# Altium PCB STM32F207VC.PcbDoc (part 10 of 16)
Units mm, origin at the board's own origin, x right, y up, seen from the top; angles counter-clockwise.
Board outline 99.19 x 99.95 mm, 2 copper layers (Top Layer, Bottom Layer); 127 components, 125 nets, 570 pads, 172 vias.
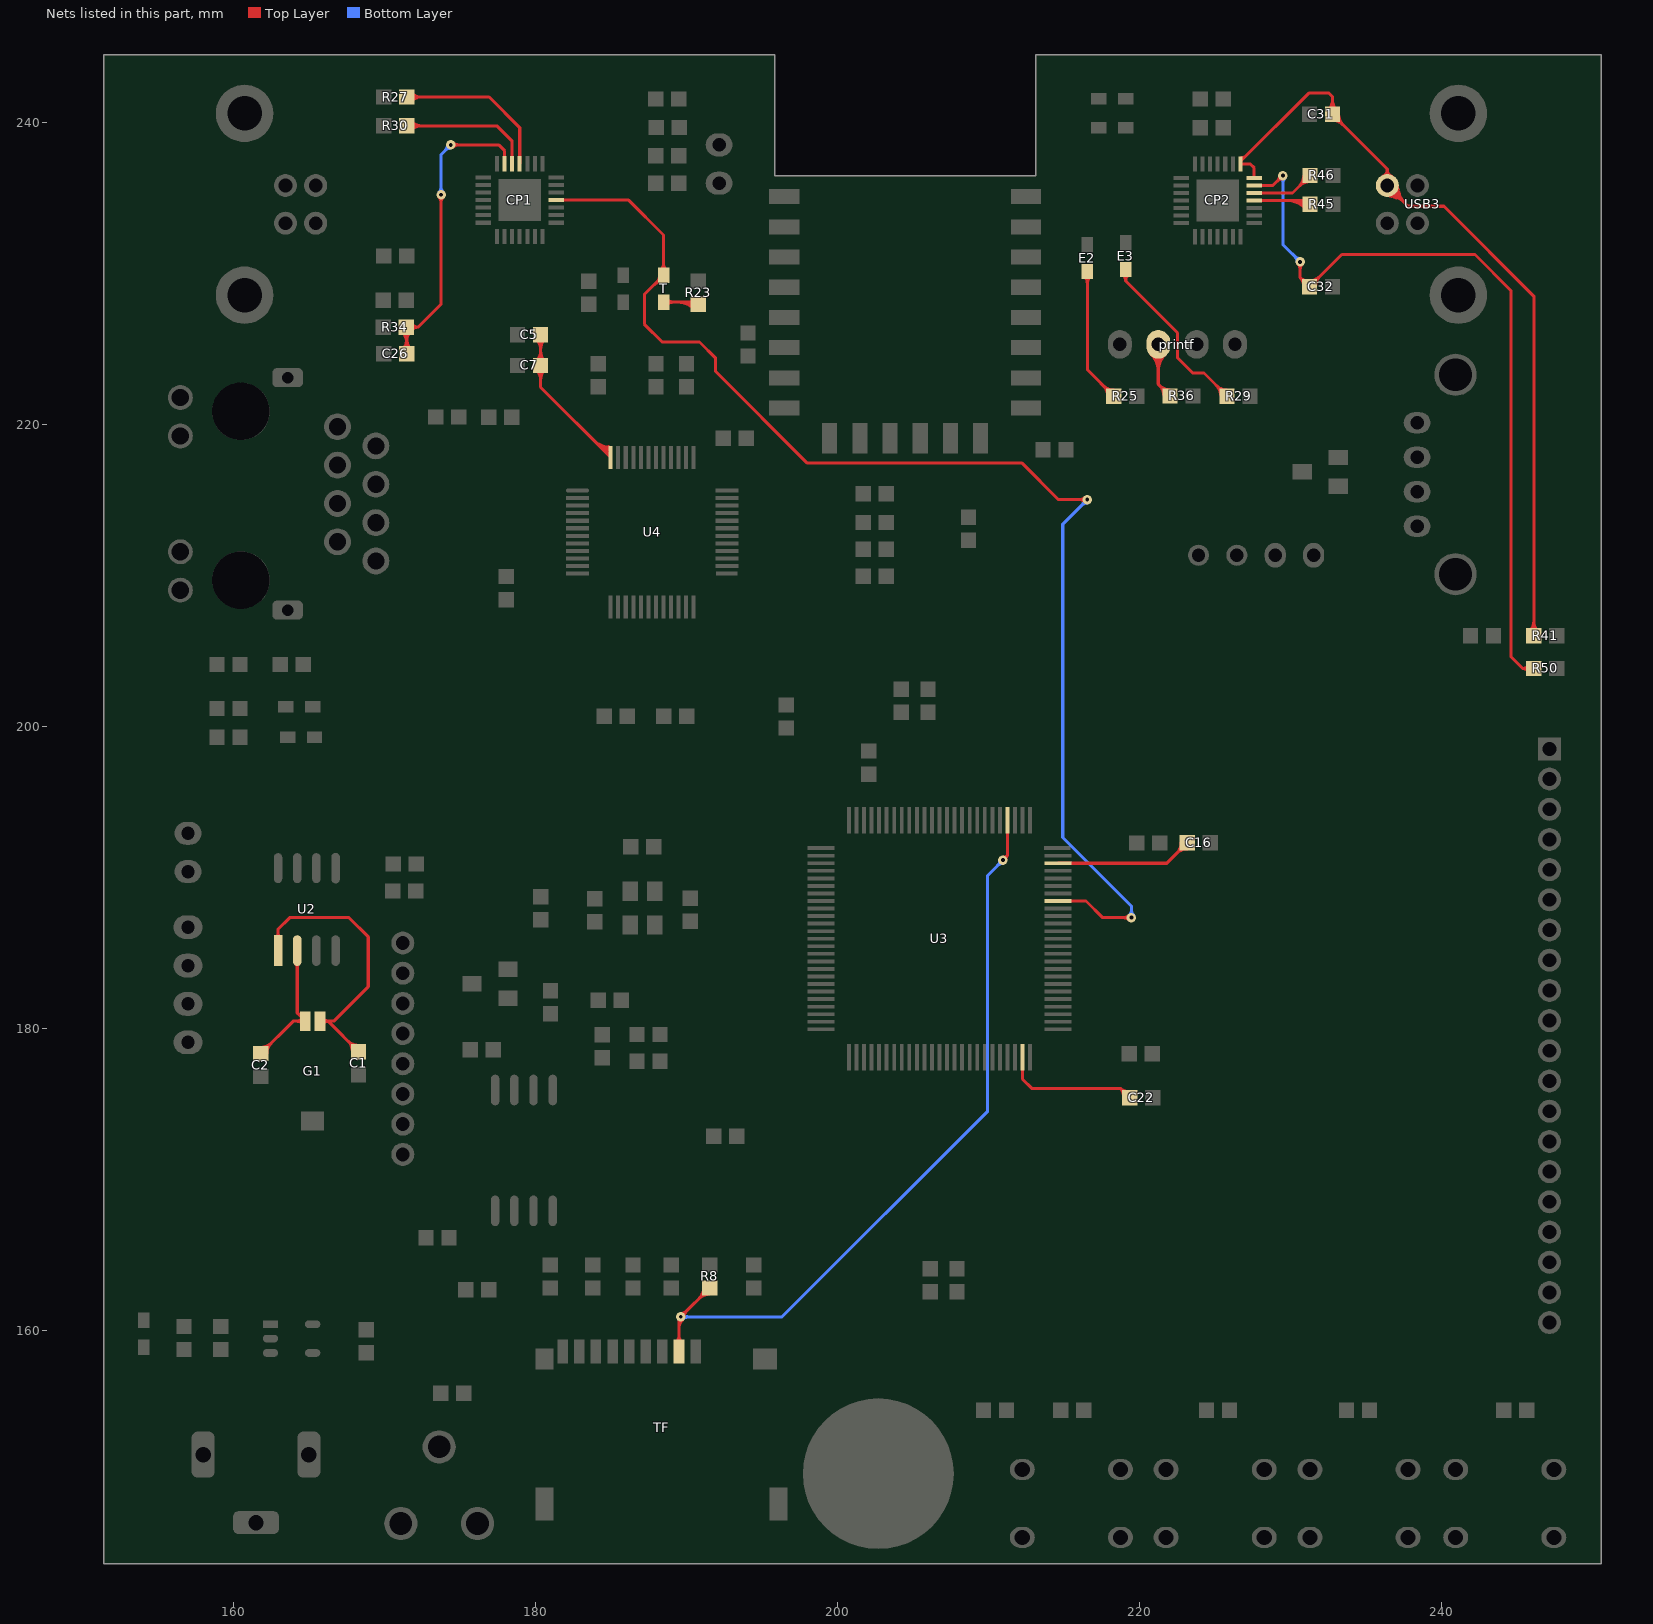
[diagram p10: the nets of this part, all layers, seen from the top]

## Via types
v1: diameter 0.635, hole 0.254, Top Layer to Bottom Layer, tented both sides, 152 vias
v2: diameter 0.635, hole 0.406, Top Layer to Bottom Layer, 18 vias
v3: diameter 1, hole 1, Top Layer to Bottom Layer, 2 vias

## Nets (pads, with @x,y where several pads share a name; then routed paths per layer and width w, separated by ;. In a path a pad name is that pad's centre, name@x,y a point inside that pad or via, vN(x,y) a via of type N, cw(c..) or ccw(c..) an arc to the next point about the centre after c; other vN are vias at no path point) (continued)
MCU_SDIO_D3: R8.1 TF.2 U3.79 | length 91.6
  Top Layer w0.203: TF.2@189.491,158.593 v1@189.491,160.766 ; v1(189.611,160.886) R8.1@191.522,162.797 ; v1(210.947,191.135) 211.245,191.433 ; U3.79@211.245,193.778 211.245,191.433 ; TF.2@189.315,159.219 ccw(c188.891,159.643) 189.491,159.643 ; TF.2@189.315,159.219 ccw(c188.891,159.643) 189.491,159.643 ; TF.2@189.315,159.219 ccw(c188.891,159.643) 189.491,159.643 ; TF.2@189.315,159.219 ccw(c188.891,159.643) 189.491,159.643 ; 189.491,159.643 ccw(c190.091,159.643) TF.2@189.667,159.219 ; 189.491,159.643 ccw(c190.091,159.643) TF.2@189.667,159.219 ; 189.491,159.643 ccw(c190.091,159.643) TF.2@189.667,159.219 ; 189.491,159.643 ccw(c190.091,159.643) TF.2@189.667,159.219 ; 189.491,160.075 cw(c190.422,160.075) v1@189.764,160.733 ; 189.491,160.075 cw(c190.422,160.075) v1@189.764,160.733 ; 189.491,160.075 cw(c190.422,160.075) v1@189.764,160.733 ; 189.491,160.075 cw(c190.422,160.075) v1@189.764,160.733 ; 189.491,160.565 cw(c189.931,160.565) v1@189.62,160.877 ; 189.491,160.565 cw(c189.931,160.565) v1@189.62,160.877 ; 189.491,160.565 cw(c189.931,160.565) v1@189.62,160.877 ; 189.491,160.565 cw(c189.931,160.565) v1@189.62,160.877 ; v1@189.608,160.898 ccw(c189.531,161.278) 189.905,161.178 ; v1@189.608,160.898 ccw(c189.531,161.278) 189.905,161.178 ; v1@189.608,160.898 ccw(c189.531,161.278) 189.905,161.178 ; v1@189.608,160.898 ccw(c189.531,161.278) 189.905,161.178 ; v1@189.608,160.898 ccw(c189.531,161.278) 189.905,161.178 ; v1@189.608,160.898 ccw(c189.531,161.278) 189.905,161.178 ; v1@189.611,161.102 ccw(c189.611,161.623) 189.98,161.254 ; v1@189.611,161.102 ccw(c189.611,161.623) 189.98,161.254 ; v1@189.611,161.102 ccw(c189.611,161.623) 189.98,161.254 ; v1@189.611,161.102 ccw(c189.611,161.623) 189.98,161.254 ; v1@189.623,160.883 cw(c190.003,160.805) 189.903,161.18 ; v1@189.623,160.883 cw(c190.003,160.805) 189.903,161.18 ; v1@189.623,160.883 cw(c190.003,160.805) 189.903,161.18 ; v1@189.623,160.883 cw(c190.003,160.805) 189.903,161.18 ; v1@189.623,160.883 cw(c190.003,160.805) 189.903,161.18 ; v1@189.623,160.883 cw(c190.003,160.805) 189.903,161.18 ; v1@189.827,160.886 cw(c190.348,160.886) 189.98,161.254 ; v1@189.827,160.886 cw(c190.348,160.886) 189.98,161.254 ; v1@189.827,160.886 cw(c190.348,160.886) 189.98,161.254 ; v1@189.827,160.886 cw(c190.348,160.886) 189.98,161.254 ; 190.828,162.103 cw(c191.522,161.409) R8.1@191.522,162.39 ; 190.828,162.103 ccw(c190.134,162.797) R8.1@191.116,162.797 ; 190.828,162.103 cw(c191.522,161.409) R8.1@191.522,162.39 ; 190.828,162.103 ccw(c190.134,162.797) R8.1@191.116,162.797 ; 190.828,162.103 ccw(c190.134,162.797) R8.1@191.116,162.797 ; 190.828,162.103 cw(c191.522,161.409) R8.1@191.522,162.39 ; 190.828,162.103 ccw(c190.134,162.797) R8.1@191.116,162.797 ; 190.828,162.103 cw(c191.522,161.409) R8.1@191.522,162.39 ; 190.978,162.285 cw(c191.664,162.101) R8.1@191.522,162.797 ; 190.978,162.285 cw(c191.664,162.101) R8.1@191.522,162.797 ; 190.978,162.285 cw(c191.664,162.101) R8.1@191.522,162.797 ; 190.978,162.285 cw(c191.664,162.101) R8.1@191.522,162.797 ; 190.978,162.285 cw(c191.664,162.101) R8.1@191.522,162.797 ; 190.978,162.285 cw(c191.664,162.101) R8.1@191.522,162.797 ; 191.01,162.253 ccw(c190.826,162.939) R8.1@191.522,162.797 ; 191.01,162.253 ccw(c190.826,162.939) R8.1@191.522,162.797 ; 191.01,162.253 ccw(c190.826,162.939) R8.1@191.522,162.797 ; 191.01,162.253 ccw(c190.826,162.939) R8.1@191.522,162.797 ; 191.01,162.253 ccw(c190.826,162.939) R8.1@191.522,162.797 ; 191.01,162.253 ccw(c190.826,162.939) R8.1@191.522,162.797 ; v1@210.982,191.348 ccw(c211.031,191.647) 211.245,191.433 ; v1@210.982,191.348 ccw(c211.031,191.647) 211.245,191.433 ; v1@210.982,191.348 ccw(c211.031,191.647) 211.245,191.433 ; v1@210.982,191.348 ccw(c211.031,191.647) 211.245,191.433 ; v1@211.16,191.17 cw(c211.459,191.219) 211.245,191.433 ; v1@211.16,191.17 cw(c211.459,191.219) 211.245,191.433 ; v1@211.16,191.17 cw(c211.459,191.219) 211.245,191.433 ; v1@211.16,191.17 cw(c211.459,191.219) 211.245,191.433
  Bottom Layer w0.203: v1(189.611,160.886) 196.319,160.886 209.931,174.498 209.931,190.119 v1(210.947,191.135) ; v1@189.764,160.733 cw(c190.132,160.364) 190.132,160.886 ; v1@189.764,160.733 cw(c190.132,160.364) 190.132,160.886 ; v1@189.764,160.733 cw(c190.132,160.364) 190.132,160.886 ; v1@189.764,160.733 cw(c190.132,160.364) 190.132,160.886 ; v1@189.764,161.038 ccw(c190.132,161.407) 190.132,160.886 ; v1@189.764,161.038 ccw(c190.132,161.407) 190.132,160.886 ; v1@189.764,161.038 ccw(c190.132,161.407) 190.132,160.886 ; v1@189.764,161.038 ccw(c190.132,161.407) 190.132,160.886 ; 210.578,190.766 cw(c210.947,190.398) v1@210.947,190.919 ; 210.578,190.766 ccw(c210.21,191.135) v1@210.731,191.135 ; 210.578,190.766 cw(c210.947,190.398) v1@210.947,190.919 ; 210.578,190.766 ccw(c210.21,191.135) v1@210.731,191.135 ; 210.578,190.766 ccw(c210.21,191.135) v1@210.731,191.135 ; 210.578,190.766 cw(c210.947,190.398) v1@210.947,190.919 ; 210.578,190.766 ccw(c210.21,191.135) v1@210.731,191.135 ; 210.578,190.766 cw(c210.947,190.398) v1@210.947,190.919
MCU_TXD: CP1.25 T.2@188.468,229.87 U3.68 | length 113.6
  Top Layer w0.203: CP1.25@181.356,234.848 186.157,234.848 188.468,232.537 T.2@188.468,229.87 187.198,228.6 187.198,226.635 188.382,225.45 190.856,225.45 191.922,224.384 191.922,223.495 197.993,217.424 212.217,217.424 214.63,215.011 v1(216.535,215.011) ; U3.68@214.595,188.428 216.448,188.428 217.551,187.325 v1(219.456,187.325) ; 187.774,229.176 cw(c188.468,228.482) T.2@188.468,229.464 ; 187.774,229.176 cw(c188.468,228.482) T.2@188.468,229.464 ; 187.774,229.176 cw(c188.468,228.482) T.2@188.468,229.464 ; 187.774,229.176 cw(c188.468,228.482) T.2@188.468,229.464 ; 187.9,229.311 ccw(c187.712,230.013) T.2@188.396,229.769 ; 187.9,229.311 ccw(c187.712,230.013) T.2@188.396,229.769 ; 187.9,229.311 ccw(c187.712,230.013) T.2@188.396,229.769 ; 187.9,229.311 ccw(c187.712,230.013) T.2@188.396,229.769 ; 187.9,229.311 ccw(c187.712,230.013) T.2@188.396,229.769 ; 188.081,229.483 ccw(c187.821,229.743) T.2@188.189,229.743 ; 188.081,229.483 ccw(c187.821,229.743) T.2@188.189,229.743 ; 188.081,229.483 ccw(c187.821,229.743) T.2@188.189,229.743 ; 188.081,229.483 ccw(c187.821,229.743) T.2@188.189,229.743 ; T.2@188.121,229.523 cw(c188.468,229.176) T.2@188.468,229.667 ; T.2@188.121,229.523 cw(c188.468,229.176) T.2@188.468,229.667 ; T.2@188.121,229.523 cw(c188.468,229.176) T.2@188.468,229.667 ; T.2@188.121,229.523 cw(c188.468,229.176) T.2@188.468,229.667 ; T.2@188.27,230.195 ccw(c187.793,230.672) 188.468,230.672 ; T.2@188.27,230.195 ccw(c187.793,230.672) 188.468,230.672 ; T.2@188.27,230.195 ccw(c187.793,230.672) 188.468,230.672 ; T.2@188.27,230.195 ccw(c187.793,230.672) 188.468,230.672 ; T.2@188.275,229.412 ccw(c188.156,229.854) T.2@188.588,229.7 ; T.2@188.275,229.412 ccw(c188.156,229.854) T.2@188.588,229.7 ; T.2@188.275,229.412 ccw(c188.156,229.854) T.2@188.588,229.7 ; T.2@188.275,229.412 ccw(c188.156,229.854) T.2@188.588,229.7 ; T.2@188.275,229.412 ccw(c188.156,229.854) T.2@188.588,229.7 ; 188.468,230.672 ccw(c189.143,230.672) T.2@188.666,230.195 ; 188.468,230.672 ccw(c189.143,230.672) T.2@188.666,230.195 ; 188.468,230.672 ccw(c189.143,230.672) T.2@188.666,230.195 ; 188.468,230.672 ccw(c189.143,230.672) T.2@188.666,230.195 ; 216.014,215.011 cw(c216.014,214.49) v1@216.382,214.858 ; 216.014,215.011 ccw(c216.014,215.532) v1@216.382,215.164 ; 216.014,215.011 cw(c216.014,214.49) v1@216.382,214.858 ; 216.014,215.011 ccw(c216.014,215.532) v1@216.382,215.164 ; 216.014,215.011 ccw(c216.014,215.532) v1@216.382,215.164 ; 216.014,215.011 cw(c216.014,214.49) v1@216.382,214.858 ; 216.014,215.011 ccw(c216.014,215.532) v1@216.382,215.164 ; 216.014,215.011 cw(c216.014,214.49) v1@216.382,214.858 ; 218.935,187.325 cw(c218.935,186.804) v1@219.303,187.172 ; 218.935,187.325 ccw(c218.935,187.846) v1@219.303,187.478 ; 218.935,187.325 cw(c218.935,186.804) v1@219.303,187.172 ; 218.935,187.325 ccw(c218.935,187.846) v1@219.303,187.478 ; 218.935,187.325 ccw(c218.935,187.846) v1@219.303,187.478 ; 218.935,187.325 cw(c218.935,186.804) v1@219.303,187.172 ; 218.935,187.325 ccw(c218.935,187.846) v1@219.303,187.478 ; 218.935,187.325 cw(c218.935,186.804) v1@219.303,187.172
  Bottom Layer w0.203: v1(216.535,215.011) 214.909,213.385 214.909,192.634 219.456,188.087 v1(219.456,187.325) ; 216.166,214.642 cw(c216.535,214.274) v1@216.535,214.795 ; 216.166,214.642 ccw(c215.798,215.011) v1@216.319,215.011 ; 216.166,214.642 cw(c216.535,214.274) v1@216.535,214.795 ; 216.166,214.642 ccw(c215.798,215.011) v1@216.319,215.011 ; 216.166,214.642 ccw(c215.798,215.011) v1@216.319,215.011 ; 216.166,214.642 cw(c216.535,214.274) v1@216.535,214.795 ; 216.166,214.642 ccw(c215.798,215.011) v1@216.319,215.011 ; 216.166,214.642 cw(c216.535,214.274) v1@216.535,214.795 ; v1@219.303,187.478 ccw(c218.935,187.846) 219.456,187.846 ; v1@219.303,187.478 ccw(c218.935,187.846) 219.456,187.846 ; v1@219.303,187.478 ccw(c218.935,187.846) 219.456,187.846 ; v1@219.303,187.478 ccw(c218.935,187.846) 219.456,187.846 ; 219.456,187.846 ccw(c219.977,187.846) v1@219.609,187.478 ; 219.456,187.846 ccw(c219.977,187.846) v1@219.609,187.478 ; 219.456,187.846 ccw(c219.977,187.846) v1@219.609,187.478 ; 219.456,187.846 ccw(c219.977,187.846) v1@219.609,187.478
NetC1_1: C1.1 G1.2 U2.1 | length 44.4
  Top Layer w0.203: U2.1@162.937,185.144 162.937,186.559 163.703,187.325 167.64,187.325 168.91,186.055 168.91,182.753 166.624,180.467 G1.2@165.71,180.467 166.254,180.467 ; U2.1@162.811,186.006 ccw(c162.508,186.309) 162.937,186.309 ; U2.1@162.811,186.006 ccw(c162.508,186.309) 162.937,186.309 ; U2.1@162.811,186.006 ccw(c162.508,186.309) 162.937,186.309 ; U2.1@162.811,186.006 ccw(c162.508,186.309) 162.937,186.309 ; 162.937,186.309 ccw(c163.366,186.309) U2.1@163.063,186.006 ; 162.937,186.309 ccw(c163.366,186.309) U2.1@163.063,186.006 ; 162.937,186.309 ccw(c163.366,186.309) U2.1@163.063,186.006 ; 162.937,186.309 ccw(c163.366,186.309) U2.1@163.063,186.006 ; G1.2@165.889,180.287 cw(c166.323,179.854) 166.323,180.467 ; G1.2@165.889,180.287 cw(c166.323,179.854) 166.323,180.467 ; G1.2@165.889,180.287 cw(c166.323,179.854) 166.323,180.467 ; G1.2@165.889,180.287 cw(c166.323,179.854) 166.323,180.467 ; G1.2@165.889,180.647 ccw(c166.323,181.08) 166.323,180.467 ; G1.2@165.889,180.647 ccw(c166.323,181.08) 166.323,180.467 ; G1.2@165.889,180.647 ccw(c166.323,181.08) 166.323,180.467 ; G1.2@165.889,180.647 ccw(c166.323,181.08) 166.323,180.467 ; G1.2@165.904,180.304 cw(c166.254,180.01) 166.254,180.467 ; G1.2@165.904,180.304 cw(c166.254,180.01) 166.254,180.467 ; G1.2@165.904,180.304 cw(c166.254,180.01) 166.254,180.467 ; G1.2@165.904,180.304 cw(c166.254,180.01) 166.254,180.467 ; G1.2@165.904,180.63 ccw(c166.254,180.924) 166.254,180.467 ; G1.2@165.904,180.63 ccw(c166.254,180.924) 166.254,180.467 ; G1.2@165.904,180.63 ccw(c166.254,180.924) 166.254,180.467 ; G1.2@165.904,180.63 ccw(c166.254,180.924) 166.254,180.467 ; 166.254,180.467 C1.1@168.269,178.452 ; 167.575,179.146 cw(c166.882,178.452) C1.1@167.863,178.452 ; 167.575,179.146 ccw(c168.269,179.84) C1.1@168.269,178.859 ; 167.575,179.146 cw(c166.882,178.452) C1.1@167.863,178.452 ; 167.575,179.146 ccw(c168.269,179.84) C1.1@168.269,178.859 ; 167.575,179.146 ccw(c168.269,179.84) C1.1@168.269,178.859 ; 167.575,179.146 cw(c166.882,178.452) C1.1@167.863,178.452 ; 167.575,179.146 ccw(c168.269,179.84) C1.1@168.269,178.859 ; 167.575,179.146 cw(c166.882,178.452) C1.1@167.863,178.452 ; 167.725,178.964 ccw(c168.412,179.148) C1.1@168.269,178.452 ; 167.725,178.964 ccw(c168.412,179.148) C1.1@168.269,178.452 ; 167.725,178.964 ccw(c168.412,179.148) C1.1@168.269,178.452 ; 167.725,178.964 ccw(c168.412,179.148) C1.1@168.269,178.452 ; 167.725,178.964 ccw(c168.412,179.148) C1.1@168.269,178.452 ; 167.725,178.964 ccw(c168.412,179.148) C1.1@168.269,178.452 ; 167.757,178.996 cw(c167.573,178.31) C1.1@168.269,178.452 ; 167.757,178.996 cw(c167.573,178.31) C1.1@168.269,178.452 ; 167.757,178.996 cw(c167.573,178.31) C1.1@168.269,178.452 ; 167.757,178.996 cw(c167.573,178.31) C1.1@168.269,178.452 ; 167.757,178.996 cw(c167.573,178.31) C1.1@168.269,178.452 ; 167.757,178.996 cw(c167.573,178.31) C1.1@168.269,178.452
NetC2_1: C2.1 G1.1 U2.2 | length 34.1
  Top Layer w0.203: U2.2@164.207,185.144 164.207,181.004 ; C2.1@161.792,178.325 cw(c162.488,178.183) 162.304,178.869 ; C2.1@161.792,178.325 ccw(c161.65,179.021) 162.336,178.837 ; C2.1@161.792,178.325 ccw(c161.65,179.021) 162.336,178.837 ; C2.1@161.792,178.325 cw(c162.488,178.183) 162.304,178.869 ; C2.1@161.792,178.325 ccw(c161.65,179.021) 162.336,178.837 ; C2.1@161.792,178.325 cw(c162.488,178.183) 162.304,178.869 ; C2.1@161.792,178.325 cw(c162.488,178.183) 162.304,178.869 ; C2.1@161.792,178.325 ccw(c161.65,179.021) 162.336,178.837 ; C2.1@161.792,178.325 cw(c162.488,178.183) 162.304,178.869 ; C2.1@161.792,178.325 ccw(c161.65,179.021) 162.336,178.837 ; C2.1@161.792,178.325 ccw(c161.65,179.021) 162.336,178.837 ; C2.1@161.792,178.325 cw(c162.488,178.183) 162.304,178.869 ; C2.1@161.792,178.325 163.934,180.467 G1.1@164.744,180.467 164.207,181.004 ; C2.1@161.792,178.732 ccw(c161.792,179.713) 162.486,179.019 ; C2.1@161.792,178.732 ccw(c161.792,179.713) 162.486,179.019 ; C2.1@161.792,178.732 ccw(c161.792,179.713) 162.486,179.019 ; C2.1@161.792,178.732 ccw(c161.792,179.713) 162.486,179.019 ; C2.1@162.198,178.325 cw(c163.18,178.325) 162.486,179.019 ; C2.1@162.198,178.325 cw(c163.18,178.325) 162.486,179.019 ; C2.1@162.198,178.325 cw(c163.18,178.325) 162.486,179.019 ; C2.1@162.198,178.325 cw(c163.18,178.325) 162.486,179.019 ; U2.2@164.081,184.281 cw(c163.778,183.978) 164.207,183.978 ; U2.2@164.081,184.281 cw(c163.778,183.978) 164.207,183.978 ; U2.2@164.081,184.281 cw(c163.778,183.978) 164.207,183.978 ; U2.2@164.081,184.281 cw(c163.778,183.978) 164.207,183.978 ; 164.131,180.467 cw(c164.131,179.854) G1.1@164.565,180.287 ; 164.131,180.467 ccw(c164.131,181.08) G1.1@164.565,180.647 ; 164.131,180.467 cw(c164.131,179.854) G1.1@164.565,180.287 ; 164.131,180.467 ccw(c164.131,181.08) G1.1@164.565,180.647 ; 164.131,180.467 ccw(c164.131,181.08) G1.1@164.565,180.647 ; 164.131,180.467 cw(c164.131,179.854) G1.1@164.565,180.287 ; 164.131,180.467 ccw(c164.131,181.08) G1.1@164.565,180.647 ; 164.131,180.467 cw(c164.131,179.854) G1.1@164.565,180.287 ; 164.207,181.004 ccw(c164.435,181.232) G1.1@164.608,180.961 ; 164.207,181.004 ccw(c164.435,181.232) G1.1@164.608,180.961 ; 164.207,181.004 ccw(c164.435,181.232) G1.1@164.608,180.961 ; 164.207,181.004 ccw(c164.435,181.232) G1.1@164.608,180.961 ; 164.207,183.978 cw(c164.636,183.978) U2.2@164.333,184.281 ; 164.207,183.978 cw(c164.636,183.978) U2.2@164.333,184.281 ; 164.207,183.978 cw(c164.636,183.978) U2.2@164.333,184.281 ; 164.207,183.978 cw(c164.636,183.978) U2.2@164.333,184.281 ; 164.386,180.825 ccw(c164.574,181.014) G1.1@164.717,180.789 ; 164.386,180.825 ccw(c164.574,181.014) G1.1@164.717,180.789 ; 164.386,180.825 ccw(c164.574,181.014) G1.1@164.717,180.789 ; 164.386,180.825 ccw(c164.574,181.014) G1.1@164.717,180.789
NetC5_2: C5.2 C7.2 U4.48 | length 44.1
  Top Layer w0.203: C5.2@180.323,225.927 C7.2@180.323,223.895 180.323,222.458 U4.48@184.965,217.815 ; 184.785,218.343 ccw(c184.721,218.583) U4.48@184.936,218.459 ; C7.2@180.035,223.608 cw(c179.341,222.914) 180.323,222.914 ; C7.2@180.035,223.608 cw(c179.341,222.914) 180.323,222.914 ; C7.2@180.035,223.608 cw(c179.341,222.914) 180.323,222.914 ; C7.2@180.035,223.608 cw(c179.341,222.914) 180.323,222.914 ; C7.2@180.035,224.182 ccw(c179.341,224.876) 180.323,224.876 ; C7.2@180.035,224.182 ccw(c179.341,224.876) 180.323,224.876 ; C7.2@180.035,224.182 ccw(c179.341,224.876) 180.323,224.876 ; C7.2@180.035,224.182 ccw(c179.341,224.876) 180.323,224.876 ; C5.2@180.035,225.64 cw(c179.341,224.946) 180.323,224.946 ; C5.2@180.035,225.64 cw(c179.341,224.946) 180.323,224.946 ; C5.2@180.035,225.64 cw(c179.341,224.946) 180.323,224.946 ; C5.2@180.035,225.64 cw(c179.341,224.946) 180.323,224.946 ; 180.323,222.914 cw(c181.304,222.914) C7.2@180.61,223.608 ; 180.323,222.914 cw(c181.304,222.914) C7.2@180.61,223.608 ; 180.323,222.914 cw(c181.304,222.914) C7.2@180.61,223.608 ; 180.323,222.914 cw(c181.304,222.914) C7.2@180.61,223.608 ; 180.323,224.876 ccw(c181.304,224.876) C7.2@180.61,224.182 ; 180.323,224.876 ccw(c181.304,224.876) C7.2@180.61,224.182 ; 180.323,224.876 ccw(c181.304,224.876) C7.2@180.61,224.182 ; 180.323,224.876 ccw(c181.304,224.876) C7.2@180.61,224.182 ; 180.323,224.946 cw(c181.304,224.946) C5.2@180.61,225.64 ; 180.323,224.946 cw(c181.304,224.946) C5.2@180.61,225.64 ; 180.323,224.946 cw(c181.304,224.946) C5.2@180.61,225.64 ; 180.323,224.946 cw(c181.304,224.946) C5.2@180.61,225.64 ; 183.838,218.943 ccw(c184.965,220.07) U4.48@184.965,218.476 ; 183.838,218.943 ccw(c184.965,220.07) U4.48@184.965,218.476 ; 183.838,218.943 ccw(c184.965,220.07) U4.48@184.965,218.476 ; 183.838,218.943 ccw(c184.965,220.07) U4.48@184.965,218.476 ; 184.185,218.596 ccw(c184.965,219.376) U4.48@184.965,218.272 ; 184.185,218.596 ccw(c184.965,219.376) U4.48@184.965,218.272 ; 184.185,218.596 ccw(c184.965,219.376) U4.48@184.965,218.272 ; 184.185,218.596 ccw(c184.965,219.376) U4.48@184.965,218.272 ; 184.532,218.249 ccw(c184.965,218.682) U4.48@184.965,218.069 ; 184.532,218.249 ccw(c184.965,218.682) U4.48@184.965,218.069 ; 184.532,218.249 ccw(c184.965,218.682) U4.48@184.965,218.069 ; 184.532,218.249 ccw(c184.965,218.682) U4.48@184.965,218.069 ; 184.688,218.347 ccw(c184.744,218.555) U4.48@184.935,218.457 ; 184.688,218.347 ccw(c184.688,218.677) U4.48@184.94,218.464 ; 184.688,218.347 ccw(c184.744,218.555) U4.48@184.935,218.457 ; 184.688,218.347 ccw(c184.744,218.555) U4.48@184.935,218.457 ; 184.688,218.347 ccw(c184.744,218.555) U4.48@184.935,218.457 ; 184.688,218.347 ccw(c184.688,218.677) U4.48@184.94,218.464 ; 184.688,218.347 ccw(c184.688,218.677) U4.48@184.94,218.464 ; 184.688,218.347 ccw(c184.744,218.555) U4.48@184.935,218.457 ; 184.688,218.347 ccw(c184.688,218.677) U4.48@184.94,218.464 ; 184.688,218.347 ccw(c184.744,218.555) U4.48@184.935,218.457 ; 184.799,218.347 ccw(c184.799,218.485) U4.48@184.933,218.45 ; 184.799,218.347 ccw(c184.799,218.485) U4.48@184.933,218.45 ; 184.799,218.347 ccw(c184.799,218.485) U4.48@184.933,218.45 ; 184.799,218.347 ccw(c184.799,218.485) U4.48@184.933,218.45 ; 184.818,218.511 cw(c184.773,218.325) U4.48@184.937,218.425 ; 184.818,218.511 cw(c184.773,218.325) U4.48@184.937,218.425 ; 184.818,218.511 cw(c184.773,218.325) U4.48@184.937,218.425 ; 184.818,218.511 cw(c184.773,218.325) U4.48@184.937,218.425 ; 184.818,218.511 cw(c184.773,218.325) U4.48@184.937,218.425 ; 184.818,218.511 cw(c184.773,218.325) U4.48@184.937,218.425 ; U4.48@184.879,217.902 ccw(c184.965,217.989) U4.48@184.965,217.866 ; U4.48@184.879,217.902 ccw(c184.965,217.989) U4.48@184.965,217.866 ; U4.48@184.879,217.902 ccw(c184.965,217.989) U4.48@184.965,217.866 ; U4.48@184.879,217.902 ccw(c184.965,217.989) U4.48@184.965,217.866
NetC16_2: C16.2 U3.73 | length 24.7
  Top Layer w0.203: U3.73@214.595,190.928 221.8,190.928 C16.2@223.156,192.284 ; 222.463,191.59 cw(c223.156,190.896) C16.2@223.156,191.878 ; 222.463,191.59 ccw(c221.769,192.284) C16.2@222.75,192.284 ; 222.463,191.59 cw(c223.156,190.896) C16.2@223.156,191.878 ; 222.463,191.59 ccw(c221.769,192.284) C16.2@222.75,192.284 ; 222.463,191.59 ccw(c221.769,192.284) C16.2@222.75,192.284 ; 222.463,191.59 cw(c223.156,190.896) C16.2@223.156,191.878 ; 222.463,191.59 ccw(c221.769,192.284) C16.2@222.75,192.284 ; 222.463,191.59 cw(c223.156,190.896) C16.2@223.156,191.878 ; 222.613,191.772 cw(c223.299,191.588) C16.2@223.156,192.284 ; 222.613,191.772 cw(c223.299,191.588) C16.2@223.156,192.284 ; 222.613,191.772 cw(c223.299,191.588) C16.2@223.156,192.284 ; 222.613,191.772 cw(c223.299,191.588) C16.2@223.156,192.284 ; 222.613,191.772 cw(c223.299,191.588) C16.2@223.156,192.284 ; 222.613,191.772 cw(c223.299,191.588) C16.2@223.156,192.284 ; 222.644,191.74 ccw(c222.461,192.426) C16.2@223.156,192.284 ; 222.644,191.74 ccw(c222.461,192.426) C16.2@223.156,192.284 ; 222.644,191.74 ccw(c222.461,192.426) C16.2@223.156,192.284 ; 222.644,191.74 ccw(c222.461,192.426) C16.2@223.156,192.284 ; 222.644,191.74 ccw(c222.461,192.426) C16.2@223.156,192.284 ; 222.644,191.74 ccw(c222.461,192.426) C16.2@223.156,192.284
NetC22_2: C22.2 U3.49 | length 14.3
  Top Layer w0.203: U3.49@212.245,178.078 212.245,176.629 212.852,176.022 218.717,176.022 ; C22.2@219.346,175.393 218.717,176.022 ; 218.717,176.022 cw(c218.173,175.477) C22.2@218.941,175.422 ; 218.717,176.022 ccw(c219.262,176.567) C22.2@219.317,175.798 ; 218.717,176.022 cw(c218.173,175.477) C22.2@218.941,175.422 ; 218.717,176.022 ccw(c219.262,176.567) C22.2@219.317,175.798 ; 218.717,176.022 ccw(c219.262,176.567) C22.2@219.317,175.798 ; 218.717,176.022 cw(c218.173,175.477) C22.2@218.941,175.422 ; 218.717,176.022 ccw(c219.262,176.567) C22.2@219.317,175.798 ; 218.717,176.022 cw(c218.173,175.477) C22.2@218.941,175.422
NetC26_1: C26.1 CP1.6 R34.2 | length 51.5
  Top Layer w0.203: C26.1@171.467,224.669 R34.2@171.467,226.4 ; R34.2@171.467,226.435 172.206,226.435 ; v1(173.736,235.204) 173.736,227.965 172.206,226.435 ; v1(174.371,238.506) 177.546,238.506 177.943,238.109 CP1.6@177.943,237.261 ; R34.2@171.145,226.148 cw(c170.368,225.37) 171.467,225.37 ; R34.2@171.145,226.148 cw(c170.368,225.37) 171.467,225.37 ; R34.2@171.145,226.148 cw(c170.368,225.37) 171.467,225.37 ; R34.2@171.145,226.148 cw(c170.368,225.37) 171.467,225.37 ; C26.1@171.18,224.956 ccw(c170.486,225.65) 171.467,225.65 ; C26.1@171.18,224.956 ccw(c170.486,225.65) 171.467,225.65 ; C26.1@171.18,224.956 ccw(c170.486,225.65) 171.467,225.65 ; C26.1@171.18,224.956 ccw(c170.486,225.65) 171.467,225.65 ; R34.2@171.289,226.291 cw(c170.858,225.861) 171.467,225.861 ; R34.2@171.289,226.291 cw(c170.858,225.861) 171.467,225.861 ; R34.2@171.289,226.291 cw(c170.858,225.861) 171.467,225.861 ; R34.2@171.289,226.291 cw(c170.858,225.861) 171.467,225.861 ; 171.467,225.538 cw(c172.33,225.538) R34.2@171.72,226.148 ; 171.467,225.538 cw(c172.33,225.538) R34.2@171.72,226.148 ; 171.467,225.538 cw(c172.33,225.538) R34.2@171.72,226.148 ; 171.467,225.538 cw(c172.33,225.538) R34.2@171.72,226.148 ; 171.467,225.65 ccw(c172.449,225.65) C26.1@171.755,224.956 ; 171.467,225.65 ccw(c172.449,225.65) C26.1@171.755,224.956 ; 171.467,225.65 ccw(c172.449,225.65) C26.1@171.755,224.956 ; 171.467,225.65 ccw(c172.449,225.65) C26.1@171.755,224.956 ; R34.2@171.767,226.205 cw(c172.206,225.902) 172.206,226.435 ; R34.2@171.767,226.205 cw(c172.206,225.902) 172.206,226.435 ; R34.2@171.767,226.205 cw(c172.206,225.902) 172.206,226.435 ; R34.2@171.767,226.205 cw(c172.206,225.902) 172.206,226.435 ; R34.2@171.767,226.666 ccw(c172.206,226.968) 172.206,226.435 ; R34.2@171.767,226.666 ccw(c172.206,226.968) 172.206,226.435 ; R34.2@171.767,226.666 ccw(c172.206,226.968) 172.206,226.435 ; R34.2@171.767,226.666 ccw(c172.206,226.968) 172.206,226.435 ; v1@173.583,235.051 cw(c173.215,234.683) 173.736,234.683 ; v1@173.583,235.051 cw(c173.215,234.683) 173.736,234.683 ; v1@173.583,235.051 cw(c173.215,234.683) 173.736,234.683 ; v1@173.583,235.051 cw(c173.215,234.683) 173.736,234.683 ; 173.736,234.683 cw(c174.257,234.683) v1@173.889,235.051 ; 173.736,234.683 cw(c174.257,234.683) v1@173.889,235.051 ; 173.736,234.683 cw(c174.257,234.683) v1@173.889,235.051 ; 173.736,234.683 cw(c174.257,234.683) v1@173.889,235.051 ; v1@174.524,238.353 cw(c174.892,237.985) 174.892,238.506 ; v1@174.524,238.353 cw(c174.892,237.985) 174.892,238.506 ; v1@174.524,238.353 cw(c174.892,237.985) 174.892,238.506 ; v1@174.524,238.353 cw(c174.892,237.985) 174.892,238.506 ; v1@174.524,238.659 ccw(c174.892,239.027) 174.892,238.506 ; v1@174.524,238.659 ccw(c174.892,239.027) 174.892,238.506 ; v1@174.524,238.659 ccw(c174.892,239.027) 174.892,238.506 ; v1@174.524,238.659 ccw(c174.892,239.027) 174.892,238.506